# Altium PCB FMC_SDR.PcbDoc (part 1 of 4) (continued)
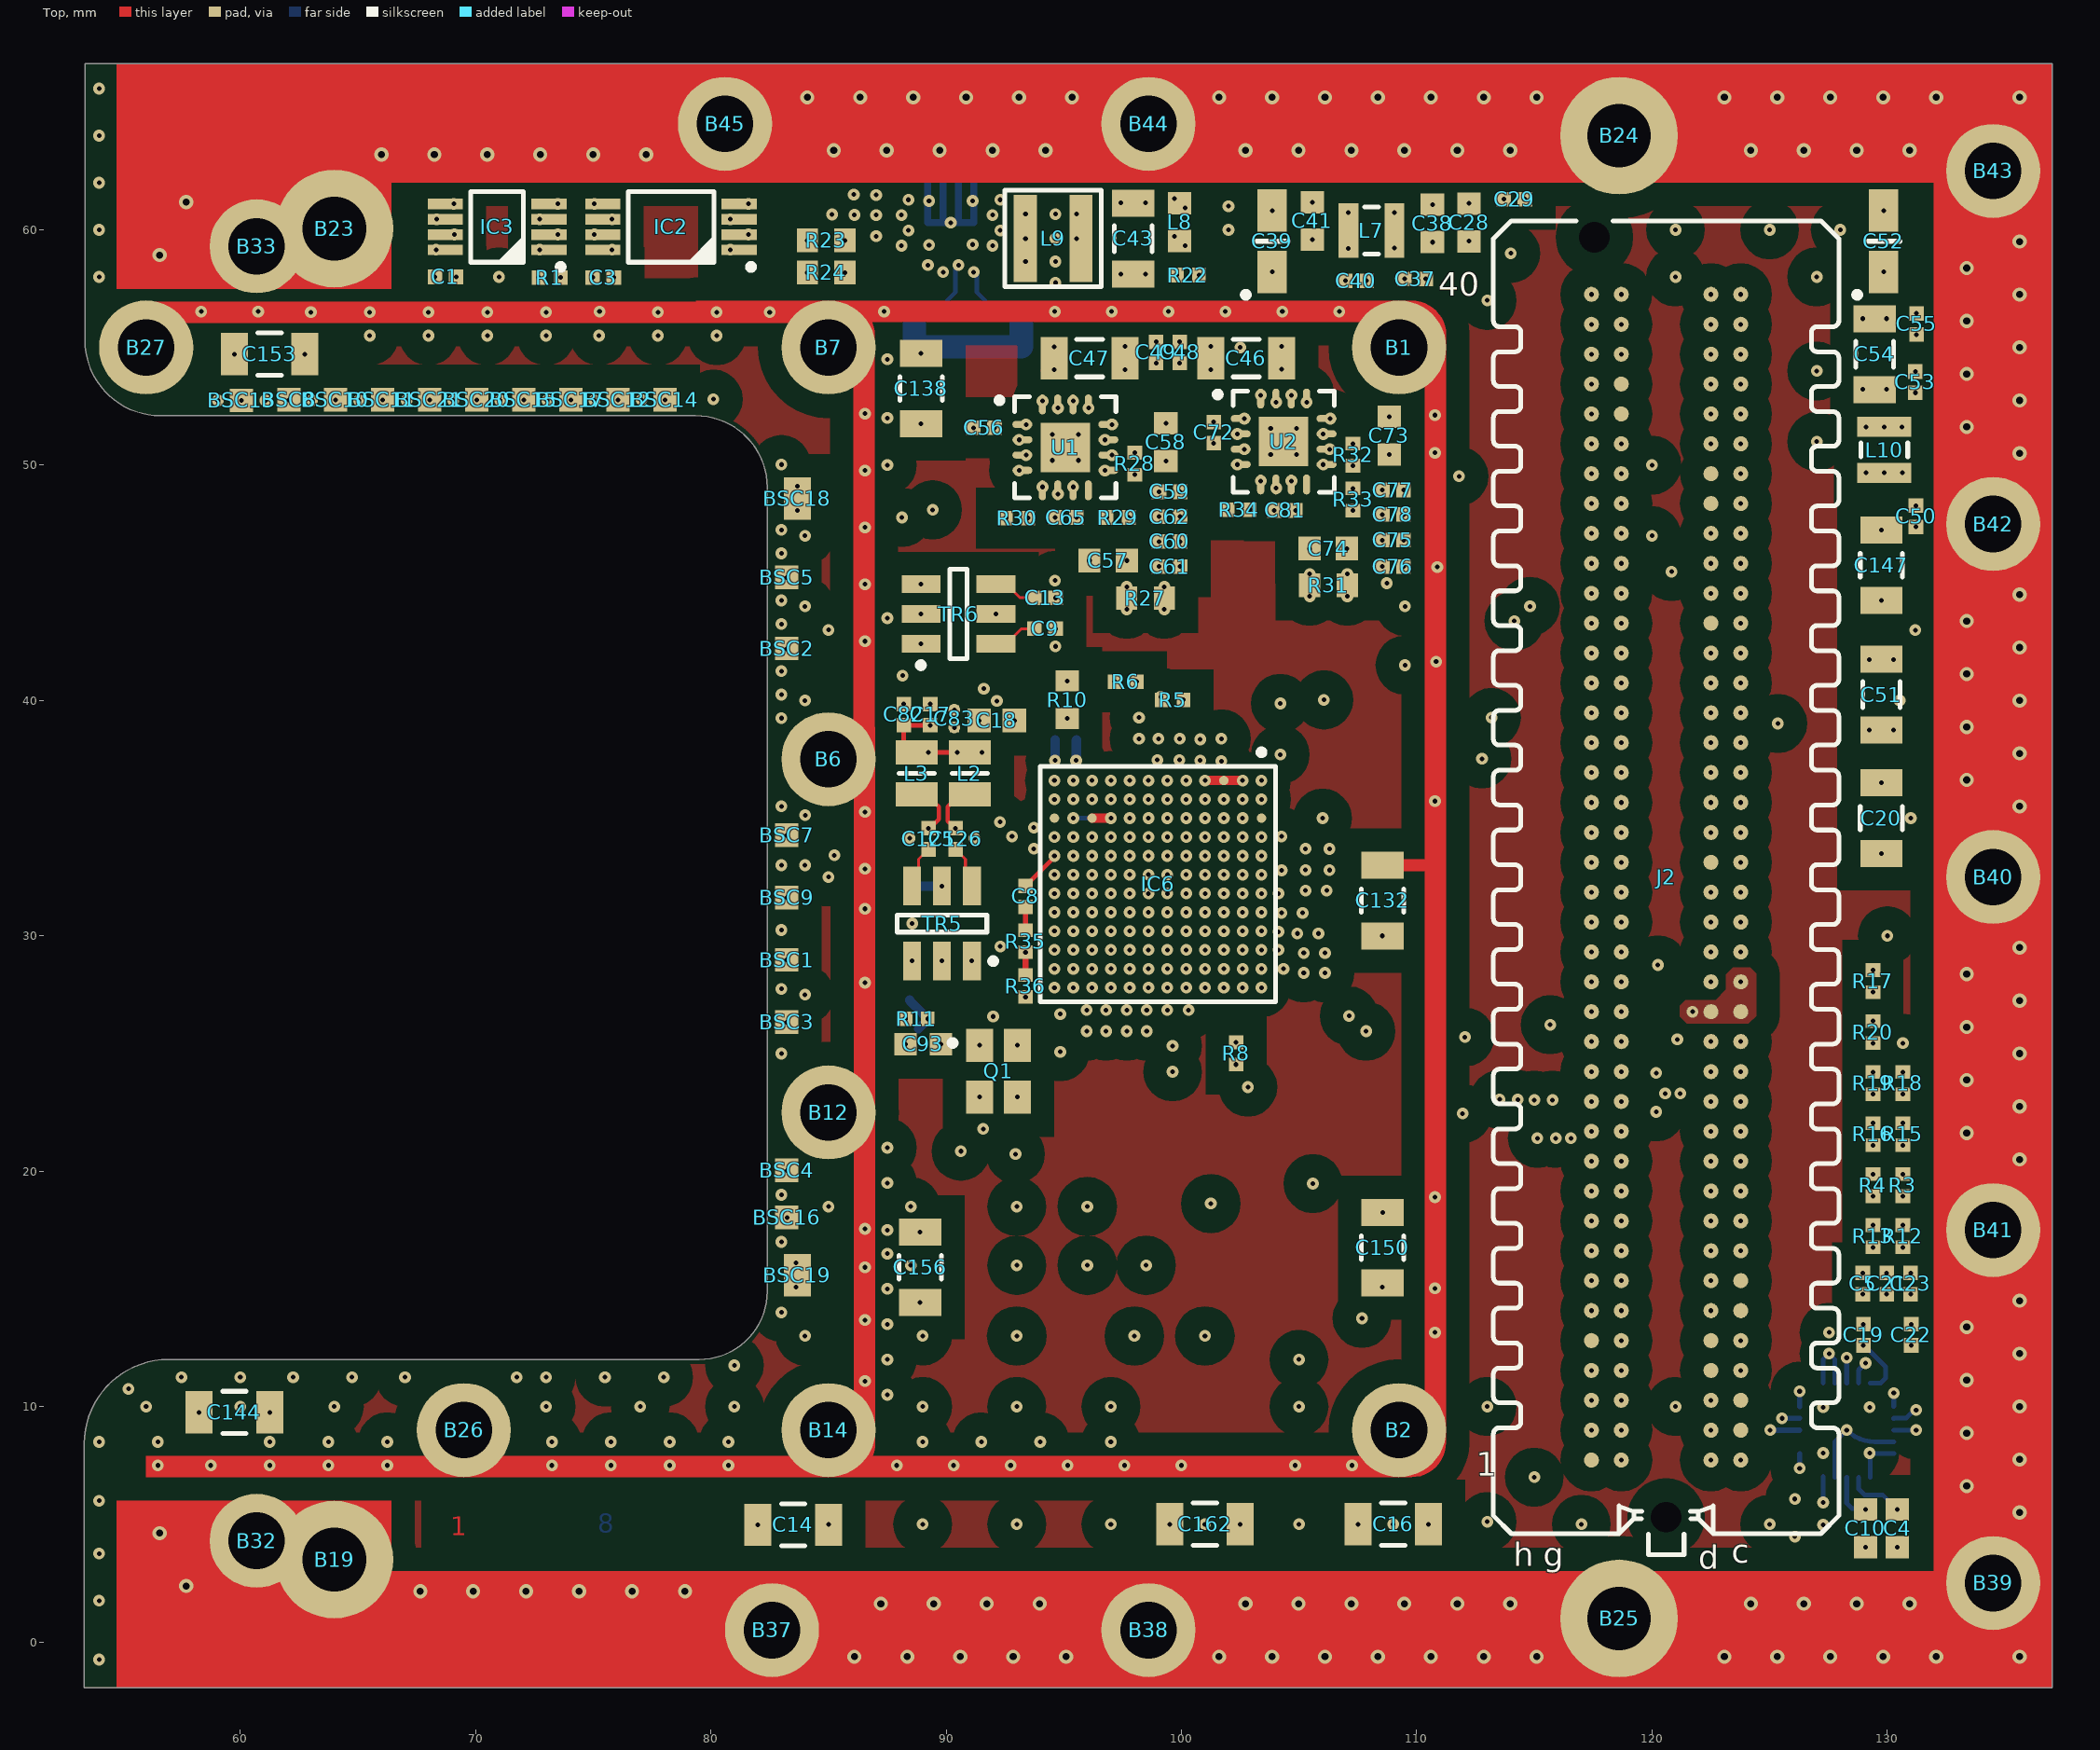
[diagram p0: Top view]
## Components (designator, comment, footprint, x,y, rotation, side; value= is the part's Value field where it differs from the comment) (continued)
C137 "100pF" CAPC1005X55N 110.258,32.462 r0 bottom
C138 "1uF" CAPC3216X140N 88.936,53.25 r90 top
C139 "1nF" CAPC1005X55N 87.2,12.25 r180 bottom
C140 "100pF" CAPC1005X55N 87.2,15.5 r180 bottom
C142 "1nF" CAPC1005X55N 87.187,18.75 r180 bottom
C143 "100pF" CAPC1005X55N 110.258,44.26 r0 bottom
C144 "1uF" CAPC3216X140N 59.75,9.75 r180 top
C145 "1nF" CAPC1005X55N 61.75,55.975 r90 bottom
C146 "100pF" CAPC1005X55N 65.5,55.975 r90 bottom
C147 "1uF" CAPC3216X140N 129.75,45.75 r90 top
C148 "1nF" CAPC1005X55N 69.25,55.975 r90 bottom
C149 "100pF" CAPC1005X55N 73,55.975 r90 bottom
C150 "1uF" CAPC3216X140N 108.55,16.752 r90 top
C151 "1nF" CAPC1005X55N 76.75,55.975 r90 bottom
C152 "100pF" CAPC1005X55N 80.5,55.975 r90 bottom
C153 "1uF" CAPC3216X140N 61.25,54.716 r180 top
C154 "1nF" CAPC1005X55N 89,8.05 r270 bottom
C155 "100pF" CAPC1005X55N 87.187,45.016 r180 bottom
C156 "1uF" CAPC3216X140N 88.892,15.919 r90 top
C158 "100pF" CAPC1005X55N 87.187,48.782 r180 bottom
C160 "1nF" CAPC1005X55N 87.187,52.547 r180 bottom
C162 "1uF" CAPC3216X140N 101,5 r180 top
C198 "1nF" CAPC1005X55N 97.5,8.05 r270 bottom
C199 "100pF" CAPC1005X55N 101.75,8.05 r270 bottom
C204 "1nF" CAPC1005X55N 106,8.05 r270 bottom
C205 "100pF" CAPC1005X55N 110.325,28.53 r0 bottom
C206 "1nF" CAPC1005X55N 110.325,24.597 r0 bottom
C207 "100pF" CAPC1005X55N 110.325,20.665 r0 bottom
C208 "1nF" CAPC1005X55N 110.325,16.732 r0 bottom
C209 "100pF" CAPC1005X55N 110.325,12.8 r0 bottom
C210 "1nF" CAPC1005X55N 110.258,40.327 r0 bottom
C211 "100pF" CAPC1005X55N 94.616,56.075 r90 bottom
C212 "1nF" CAPC1005X55N 98.327,56.075 r90 bottom
C213 "100pF" CAPC1005X55N 102.039,56.075 r90 bottom
C214 "1nF" CAPC1005X55N 105.75,56.075 r90 bottom
C215 "1nF" CAPC1005X55N 87.2,27.6 r180 bottom
C216 "1nF" CAPC1005X55N 87.187,33.75 r180 bottom
C217 "1nF" CAPC1005X55N 87.2,30.25 r180 bottom
IC1 "AD7291BCPZ" QFN50P400X400X80-21N-S275 128.275,9 r180 bottom
IC2 "M24C02-RDW6TP" SOP65P640X120-8N 78.308,60.122 r180 top
IC3 "MCP9801-M/MS" SOP65P490X110-8N 70.917,60.122 r180 top
IC4 "ADP2164ACPZ-R7" CP_16_26 90.195,60.3 r0 bottom value=Value
IC6 "AD9364BBCZ" BGA144C80P12X12_1000X1000X170 99.003,32.2 r270 top locked
J2 "VITA 57" SAMTEC_ASP-127797-01 120.6,32.491 r270 top locked
L1 "1k@100MHz" INDC1005X55N 104.259,33.243 r270 bottom
L2 "330nH" IND_COILCRAFT_0805CS 91,36.9 r90 top
L3 "330nH" IND_COILCRAFT_0805CS 88.75,36.9 r90 top
L6 "600R@100MHz" INDC1608X75N 99.625,25.025 r90 bottom
L7 "2.2 A, 0.47 uH" WE-MAIA_2506 108.077,59.969 r180 top
L8 "390R@100MHz" INDC1608X95N 99.925,60.325 r270 top
L9 "4.7 A, 2.2 uH" WE-MAIA_4020 94.549,59.625 r0 top
L10 "2.2 A, 0.47 uH" WE-MAIA_2506 129.87,50.648 r90 top
Q1 "40MHz" XTAL_EPSON_TSX-3225 92.225,24.25 r0 top
R1 "10k" RESC1005X40N 73.155,57.975 r0 top
R2 "49R9" RESC1005X40N 101.7,37.9 r90 bottom
R3 "100k" RESC1005X40N 130.661,19.406 r90 top
R4 "100k" RESC1005X40N 129.391,19.406 r90 top
R5 "10k" RESC1005X40N 99.625,40.025 r0 top
R6 "10k" RESC1005X40N 97.63,40.8 r0 top
R7 "1" RESC1005X40N 103.87,28.6 r180 bottom
R8 "10k" RESC1005X40N 102.325,25.005 r90 top
R9 "1" RESC1005X40N 99.445,37.475 r180 bottom
R10 "14k3" RESC1608X55N 95.15,40.032 r270 top
R11 "49R9" RESC1005X40N 88.75,26.475 r180 top
R12 "160k" RESC1005X40N 130.661,17.239 r90 top
R13 "160k" RESC1005X40N 129.391,17.239 r90 top
R15 "100k" RESC1005X40N 130.661,21.574 r90 top
R16 "100k" RESC1005X40N 129.391,21.574 r270 top
R17 "100k" RESC1005X40N 129.391,28.077 r90 top
R18 "160k" RESC1005X40N 130.661,23.742 r270 top
R19 "160k" RESC1005X40N 129.391,23.742 r270 top
R20 "160k" RESC1005X40N 129.391,25.909 r90 top
R21 "10" RESC1608X55N 90.85,57 r180 bottom
R22 "10k" RESC1005X40N 100.275,58.075 r0 top
R23 "Undefined" RESC1608X55N 84.9,59.55 r180 top
R24 "10" RESC1608X55N 84.9,58.182 r180 top
R25 "20k" RESC1005X40N 85.62,60.625 r0 bottom
R26 "10k" RESC1005X40N 86.545,61.5 r0 bottom
R27 "0" RESC1608X55N 98.475,44.35 r0 top
R28 "16k" RESC1005X40N 98.019,50.063 r90 top
R29 "10k" RESC1005X40N 97.295,47.777 r180 top
R30 "10k" RESC1005X40N 93.015,47.752 r180 top
R31 "0" RESC1608X55N 106.25,44.9 r180 top
R32 "16k" RESC1005X40N 107.29,50.444 r90 top
R33 "10k" RESC1005X40N 107.29,48.539 r270 top
R34 "10k" RESC1005X40N 102.438,48.108 r180 top
R35 "10" RESC1005X40N 93.375,29.772 r90 top
R36 "49R9" RESC1005X40N 93.375,27.87 r90 top
TR5 "1:1" XFMR_MINI-CIRCUITS_DB1627 89.825,30.525 r180 top
TR6 "1:1" XFMR_MINI-CIRCUITS_DB1627 90.526,43.675 r90 top
U1 "ADP1755ACPZ-R7" CP-16-4_L 95.068,50.754 r0 top
U2 "ADP1755ACPZ-R7" CP-16-4_L 104.343,51.003 r0 top

## Footprints (in the part's own frame and the unit in brackets; to place one, negate y for a bottom-side part, rotate by r counter-clockwise, add the part's x,y. Pads: shape width x height; smd on the part's side, far side on the other; paste and mask are expansions set on the pad)
BGA144C80P12X12_1000X1000X170 [mm] "BGA, 0.80mm Pitch, Square; 144 Pin,12 Columns X 12 Rows,10.00mm X 10.00mm X 1.70mm H"
  round 0.4 smd: A1(-4.4,4.4) A2(-3.6,4.4) A3(-2.8,4.4) A4(-2,4.4) A5(-1.2,4.4) A6(-0.4,4.4) A7(0.4,4.4) A8(1.2,4.4) A9(2,4.4) A10(2.8,4.4) A11(3.6,4.4) A12(4.4,4.4) B1(-4.4,3.6) B2(-3.6,3.6) B3(-2.8,3.6) B4(-2,3.6) B5(-1.2,3.6) B6(-0.4,3.6) B7(0.4,3.6) B8(1.2,3.6) B9(2,3.6) B10(2.8,3.6) B11(3.6,3.6) B12(4.4,3.6) C1(-4.4,2.8) C2(-3.6,2.8) C3(-2.8,2.8) C4(-2,2.8) C5(-1.2,2.8) C6(-0.4,2.8) C7(0.4,2.8) C8(1.2,2.8) C9(2,2.8) C10(2.8,2.8) C11(3.6,2.8) C12(4.4,2.8) D1(-4.4,2) D2(-3.6,2) D3(-2.8,2) D4(-2,2) D5(-1.2,2) D6(-0.4,2) D7(0.4,2) D8(1.2,2) D9(2,2) D10(2.8,2) D11(3.6,2) D12(4.4,2) E1(-4.4,1.2) E2(-3.6,1.2) E3(-2.8,1.2) E4(-2,1.2) E5(-1.2,1.2) E6(-0.4,1.2) E7(0.4,1.2) E8(1.2,1.2) E9(2,1.2) E10(2.8,1.2) E11(3.6,1.2) E12(4.4,1.2) F1(-4.4,0.4) F2(-3.6,0.4) F3(-2.8,0.4) F4(-2,0.4) F5(-1.2,0.4) F6(-0.4,0.4) F7(0.4,0.4) F8(1.2,0.4) F9(2,0.4) F10(2.8,0.4) F11(3.6,0.4) F12(4.4,0.4) G1(-4.4,-0.4) G2(-3.6,-0.4) G3(-2.8,-0.4) G4(-2,-0.4) G5(-1.2,-0.4) G6(-0.4,-0.4) G7(0.4,-0.4) G8(1.2,-0.4) G9(2,-0.4) G10(2.8,-0.4) G11(3.6,-0.4) G12(4.4,-0.4) H1(-4.4,-1.2) H2(-3.6,-1.2) H3(-2.8,-1.2) H4(-2,-1.2) H5(-1.2,-1.2) H6(-0.4,-1.2) H7(0.4,-1.2) H8(1.2,-1.2) H9(2,-1.2) H10(2.8,-1.2) H11(3.6,-1.2) H12(4.4,-1.2) J1(-4.4,-2) J2(-3.6,-2) J3(-2.8,-2) J4(-2,-2) J5(-1.2,-2) J6(-0.4,-2) J7(0.4,-2) J8(1.2,-2) J9(2,-2) J10(2.8,-2) J11(3.6,-2) J12(4.4,-2) K1(-4.4,-2.8) K2(-3.6,-2.8) K3(-2.8,-2.8) K4(-2,-2.8) K5(-1.2,-2.8) K6(-0.4,-2.8) K7(0.4,-2.8) K8(1.2,-2.8) K9(2,-2.8) K10(2.8,-2.8) K11(3.6,-2.8) K12(4.4,-2.8) L1(-4.4,-3.6) L2(-3.6,-3.6) L3(-2.8,-3.6) L4(-2,-3.6) L5(-1.2,-3.6) L6(-0.4,-3.6) L7(0.4,-3.6) L8(1.2,-3.6) L9(2,-3.6) L10(2.8,-3.6) L11(3.6,-3.6) L12(4.4,-3.6) M1(-4.4,-4.4) M2(-3.6,-4.4) M3(-2.8,-4.4) M4(-2,-4.4) M5(-1.2,-4.4) M6(-0.4,-4.4) M7(0.4,-4.4) M8(1.2,-4.4) M9(2,-4.4) M10(2.8,-4.4) M11(3.6,-4.4) M12(4.4,-4.4)
  silkscreen extent -5.72,-5 5,5, body extent -5,-5 5,5, height 1.8
CAPC0603X33N [mm] "Chip Capacitor, Body 0.6x0.30mm, IPC Medium Density"
  rect 0.45x0.4 smd: 1(-0.35,0) 2(0.35,0)
  body extent -0.31,-0.16 0.32,0.17, height 0.33
CAPC1005X55N [mm] "Capacitor, Non-Polarized, Chip; 1.00mm L X 0.50mm W X 0.70mm H, IPC Medium Density"
  rect 0.62x0.62 smd: 1(-0.45,0) 2(0.45,0)
  body extent -0.52,-0.27 0.53,0.28, height 0.55
CAPC1608X80N [mm] "Chip Capacitor, Body 1.6x0.8mm IPC Medium Density"
  rect 1x1 smd: 1(-0.75,0) 2(0.75,0)
  body extent -0.87,-0.47 0.88,0.48, height 0.8
CAPC1608X87N [mm] "Chip Capacitor, Body 1.6x0.8mm IPC Medium Density"
  rect 0.95x1 smd: 1(-0.8,0) 2(0.8,0)
  body extent -0.87,-0.47 0.88,0.48, height 0.87
CAPC1608X90N [mm] "Chip Capacitor, Body 1.6x0.8mm IPC Medium Density"
  rect 0.95x0.95 smd: 1(-0.75,0) 2(0.75,0)
  body extent -0.85,-0.45 0.85,0.45, height 0.9
CAPC3216X140N [mm] "Chip Capacitor, Body 3.2x1.6mm, IPC Medium Density"
  rect 1.15x1.8 smd: 1(-1.5,0) 2(1.5,0)
  silkscreen extent -0.5,-0.9 0.5,0.9, body extent -1.7,-0.9 1.7,0.9, height 1.4
CAPC3216X180N [mm] "Chip Capacitor, Body 3.2x1.6mm, IPC Medium Density"
  rect 1.15x1.8 smd: 1(-1.5,0) 2(1.5,0)
  silkscreen extent -0.55,-0.8 0.55,0.8, body extent -1.7,-0.9 1.7,0.9, height 1.8
CAPMP3216X180N [mm] "Capacitor, Polarized, Molded  Body 3.2x1.6mm, IPC Medium Density"
  rect 1.8x1.25 smd: 1(-1.3,0) 2(1.3,0)
  silkscreen extent -2.4,-0.7 0,1.25, body extent -1.7,-0.9 1.7,0.9, height 1.6
CP-16-4_L [mm] "QFN, 16-Leads, Body 4x4mm, Pitch 0.65mm, Thermal Pad 2.1x2.1mm, IPC High Density"
  oval 0.85x0.3 smd: 1(-1.825,0.975) 2(-1.825,0.325) 3(-1.825,-0.325) 4(-1.825,-0.975) 9(1.825,-0.975) 10(1.825,-0.325) 11(1.825,0.325) 12(1.825,0.975)
  oval 0.3x0.85 smd: 5(-0.975,-1.825) 6(-0.325,-1.825) 7(0.325,-1.825) 8(0.975,-1.825) 13(0.975,1.825) 14(0.325,1.825) 15(-0.325,1.825) 16(-0.975,1.825)
  rect 2.1x2.1 smd: 17(0,0)
  silkscreen extent -2.92,-2.15 2.15,2.15, body extent -2,-2 2,2, height 1
CP_16_26 [mil]
  rect 32x14 smd paste+0 mask+0: 1(-76.5,38.39) 2(-76.5,12.8) 3(-76.5,-12.8) 4(-76.5,-38.39) 9(76.5,-38.39) 10(76.5,-12.8) 11(76.5,12.8) 12(76.5,38.39)
  rect 14x32 smd paste+0 mask+0: 5(-38.39,-76.5) 6(-12.8,-76.5) 7(12.8,-76.5) 8(38.39,-76.5) 13(38.39,76.5) 14(12.8,76.5) 15(-12.8,76.5) 16(-38.39,76.5)
  rect 104x104 smd paste-51.5 mask+0: 17(0,0)
  silkscreen extent -122,-86 86,93, body extent -81,-81 81,81, height 31
IND_COILCRAFT_0805CS [mm] "SMD Inductor  Body Width 1.73mm Body Lenght 2.29mm Height 1.52mm, 0805CS Series"
  rect 1.02x1.78 smd: 1(-0.89,0) 2(0.89,0)
  silkscreen extent 0,-0.75 0,0.75, body extent -1.14,-0.86 1.14,0.86, height 1.52
INDC1005X55N [mm] "Chip Inductor, 2-Leads, EIA 0402, Metric 1005, Body 1x0.5mm, 0402IPC Medium Density"
  rect 0.6x0.62 smd: 1(-0.46,0) 2(0.46,0)
  body extent -0.52,-0.27 0.53,0.28, height 0.55
INDC1608X75N [mm] "Chip Inductor, 2-Leads, EIA 0603, Metric 1608, Body 1.6x0.8mm, IPC Medium Density"
  rect 0.9x1 smd: 1(-0.8,0) 2(0.8,0)
  body extent -0.87,-0.47 0.88,0.48, height 0.7
INDC1608X95N [mm] "Chip Inductor, 2-Leads, EIA 0603, Metric 1608, Body 1.6x0.8mm, IPC Medium Density"
  rect 0.95x1 smd: 1(-0.8,0) 2(0.8,0)
  body extent -0.87,-0.47 0.88,0.48, height 0.95
MTG240_400#1 [mm] "Plated Through Hole: Hole Dia.=2.4mm Pad Dia.=4.0mm"
  round 4 hole 2.4: 1(0.05,0)
MTG240_400#2 [mm] "Plated Through Hole: Hole Dia.=2.4mm Pad Dia.=4.0mm"
  round 4 hole 2.4: 1(0,0)
MTG240_400#3 [mm] "Plated Through Hole: Hole Dia.=2.4mm Pad Dia.=4.0mm"
  round 4 hole 2.4: 1(-7,0)
MTG240_400#4 [mm] "Plated Through Hole: Hole Dia.=2.4mm Pad Dia.=4.0mm"
  round 4 hole 2.4: 1(-0.1,0)
MTG270_500 [mm] "Plated Through Hole: Hole Dia.=2.7mm Pad Dia.=5.0mm"
  round 5 hole 2.7: 1(0,0)
PCB_CONN_0603F#1 [mm] "Colder connection between boards - by 0603 0R jumper"
  rect 1x1 smd: 1(0,0.001)
PCB_CONN_0603F#2 [mm] "Colder connection between boards - by 0603 0R jumper"
  rect 1x1 smd: 1(0,0)
PCB_CONN_1206F#1 [mm] "Colder connection between boards - by 1206 0R jumper"
  rect 1.15x1.8 smd: 1(-0.35,0)
PCB_CONN_1206F#2 [mm] "Colder connection between boards - by 1206 0R jumper"
  rect 1.15x1.8 smd: 1(-0.4,0)
QFN50P400X400X80-21N-S275 [mm] "QFN, 0.50mm Pitch, Square; 20 Pin, 4.00mm L X 4.00mm W X 0.80mm H Body (w/Thermal Tab 2.75 X 2.75mm),  IPC Medium Density"
  oval 0.8x0.3 smd: 1(-2,1) 2(-2,0.5) 3(-2,0) 4(-2,-0.5) 5(-2,-1) 11(2,-1) 12(2,-0.5) 13(2,0) 14(2,0.5) 15(2,1)
  oval 0.3x0.8 smd: 6(-1,-2) 7(-0.5,-2) 8(0,-2) 9(0.5,-2) 10(1,-2) 16(1,2) 17(0.5,2) 18(0,2) 19(-0.5,2) 20(-1,2)
  rect 2.75x2.75 smd: 21(0,0)
  silkscreen extent -3.13,-2 2,2, body extent -2,-2 2,2, height 0.8
RESC1005X40N [mm] "Chip Resistor, EIA 0402, Metric 1005, Body 1.0x0.5mm, IPC Medium Density"
  rect 0.58x0.62 smd: 1(-0.47,0) 2(0.47,0)
  body extent -0.52,-0.27 0.53,0.28, height 0.4
RESC1608X55N [mm] "Chip Resistor, EIA 0603, Metric 1608, Body 1.6x0.8mm, IPC Medium Density"
  rect 0.9x1 smd: 1(-0.8,0) 2(0.8,0)
  body extent -0.87,-0.47 0.88,0.48, height 0.55
SAMTEC_ASP-127797-01 [mm] "Connector VITA 57, 160 Male contacts in 4 row cdgh"
  round 1 hole 1.3 unplated mask+0.3: 1(-27.191,-3.048) 2(27.191,0)
  round 0.64 smd: c1(24.765,3.175) c2(23.495,3.175) c3(22.225,3.175) c4(20.955,3.175) c5(19.685,3.175) c6(18.415,3.175) c7(17.145,3.175) c8(15.875,3.175) c9(14.605,3.175) c10(13.335,3.175) c11(12.065,3.175) c12(10.795,3.175) c13(9.525,3.175) c14(8.255,3.175) c15(6.985,3.175) c16(5.715,3.175) c17(4.445,3.175) c18(3.175,3.175) c19(1.905,3.175) c20(0.635,3.175) c21(-0.635,3.175) c22(-1.905,3.175) c23(-3.175,3.175) c24(-4.445,3.175) c25(-5.715,3.175) c26(-6.985,3.175) c27(-8.255,3.175) c28(-9.525,3.175) c29(-10.795,3.175) c30(-12.065,3.175) c31(-13.335,3.175) c32(-14.605,3.175) c33(-15.875,3.175) c34(-17.145,3.175) c35(-18.415,3.175) c36(-19.685,3.175) c37(-20.955,3.175) c38(-22.225,3.175) c39(-23.495,3.175) c40(-24.765,3.175) d1(24.765,1.905) d2(23.495,1.905) d3(22.225,1.905) d4(20.955,1.905) d5(19.685,1.905) d6(18.415,1.905) d7(17.145,1.905) d8(15.875,1.905) d9(14.605,1.905) d10(13.335,1.905) d11(12.065,1.905) d12(10.795,1.905) d13(9.525,1.905) d14(8.255,1.905) d15(6.985,1.905) d16(5.715,1.905) d17(4.445,1.905) d18(3.175,1.905) d19(1.905,1.905) d20(0.635,1.905) d21(-0.635,1.905) d22(-1.905,1.905) d23(-3.175,1.905) d24(-4.445,1.905) d25(-5.715,1.905) d26(-6.985,1.905) d27(-8.255,1.905) d28(-9.525,1.905) d29(-10.795,1.905) d30(-12.065,1.905) d31(-13.335,1.905) d32(-14.605,1.905) d33(-15.875,1.905) d34(-17.145,1.905) d35(-18.415,1.905) d36(-19.685,1.905) d37(-20.955,1.905) d38(-22.225,1.905) d39(-23.495,1.905) d40(-24.765,1.905) g1(24.765,-1.905) g2(23.495,-1.905) g3(22.225,-1.905) g4(20.955,-1.905) g5(19.685,-1.905) g6(18.415,-1.905) g7(17.145,-1.905) g8(15.875,-1.905) g9(14.605,-1.905) g10(13.335,-1.905) g11(12.065,-1.905) g12(10.795,-1.905) g13(9.525,-1.905) g14(8.255,-1.905) g15(6.985,-1.905) g16(5.715,-1.905) g17(4.445,-1.905) g18(3.175,-1.905) g19(1.905,-1.905) g20(0.635,-1.905) g21(-0.635,-1.905) g22(-1.905,-1.905) g23(-3.175,-1.905) g24(-4.445,-1.905) g25(-5.715,-1.905) g26(-6.985,-1.905) g27(-8.255,-1.905) g28(-9.525,-1.905) g29(-10.795,-1.905) g30(-12.065,-1.905) g31(-13.335,-1.905) g32(-14.605,-1.905) g33(-15.875,-1.905) g34(-17.145,-1.905) g35(-18.415,-1.905) g36(-19.685,-1.905) g37(-20.955,-1.905) g38(-22.225,-1.905) g39(-23.495,-1.905) g40(-24.765,-1.905) h1(24.765,-3.175) h2(23.495,-3.175) h3(22.225,-3.175) h4(20.955,-3.175) h5(19.685,-3.175) h6(18.415,-3.175) h7(17.145,-3.175) h8(15.875,-3.175) h9(14.605,-3.175) h10(13.335,-3.175) h11(12.065,-3.175) h12(10.795,-3.175) h13(9.525,-3.175) h14(8.255,-3.175) h15(6.985,-3.175) h16(5.715,-3.175) h17(4.445,-3.175) h18(3.175,-3.175) h19(1.905,-3.175) h20(0.635,-3.175) h21(-0.635,-3.175) h22(-1.905,-3.175) h23(-3.175,-3.175) h24(-4.445,-3.175) h25(-5.715,-3.175) h26(-6.985,-3.175) h27(-8.255,-3.175) h28(-9.525,-3.175) h29(-10.795,-3.175) h30(-12.065,-3.175) h31(-13.335,-3.175) h32(-14.605,-3.175) h33(-15.875,-3.175) h34(-17.145,-3.175) h35(-18.415,-3.175) h36(-19.685,-3.175) h37(-20.955,-3.175) h38(-22.225,-3.175) h39(-23.495,-3.175) h40(-24.765,-3.175)
  silkscreen extent -27.89,-7.34 28.78,7.34, body extent -27.89,-7.34 28.78,7.34, height 5.61
SOP65P490X110-8N [mm] "SOP, 0.65mm pitch; 8 pin, 3.00mm W X 3.00mm L X 1.10mm H body, IPC Medium Density"
  rect 1.5x0.45 smd: 1(-2.2,0.975) 2(-2.2,0.325) 3(-2.2,-0.325) 4(-2.2,-0.975) 5(2.2,-0.975) 6(2.2,-0.325) 7(2.2,0.325) 8(2.2,0.975)
  silkscreen extent -2.83,-1.5 1.12,1.82, body extent -2.45,-1.55 2.45,1.55, height 1.1
SOP65P640X120-8N [mm] "SOP, 0.65mm pitch; 8 pin, 4.40mm W X 3.00mm L X 1.20mm H body, IPC Medium Density"
  rect 1.5x0.45 smd: 1(-2.9,0.975) 2(-2.9,0.325) 3(-2.9,-0.325) 4(-2.9,-0.975) 5(2.9,-0.975) 6(2.9,-0.325) 7(2.9,0.325) 8(2.9,0.975)
  silkscreen extent -3.53,-1.5 1.83,1.82, body extent -3.2,-1.55 3.2,1.55, height 1.2
WE-MAIA_2506 [mm] "SMD Power Inductor, 2-leads, body 2.5x2.0mm"
  rect 0.85x2.3 smd: 1(-0.975,0) 2(0.975,0)
  silkscreen extent -0.3,-1 0.3,1, body extent -1.25,-1 1.25,1, height 0.63
WE-MAIA_4020 [mm] "SMD Power Inductor, 2-leads, body 4.1x4.1mm"
  rect 0.98x3.7 smd: 1(-1.185,0) 2(1.185,0)
  silkscreen extent -2.05,-2.05 2.05,2.05, body extent -2.05,-2.05 2.05,2.05, height 2.13
XFMR_MINI-CIRCUITS_DB1627 [mm] "MINI-CIRCUITS RF Transformer, Case DB1627 - Body 4.06X3.81mm"
  rect 0.76x1.65 smd: 1(-1.27,1.59) 2(0,1.59) 3(1.27,1.59) 4(1.27,-1.59) 5(0,-1.59) 6(-1.27,-1.59)
  silkscreen extent -2.3,-0.37 1.91,1.72, body extent -1.9,-2.03 1.91,2.03, height 4.06
XTAL_EPSON_TSX-3225 [mm] "Crystal TSX-3225 Serie, Corner Concave; 4 pin, 2.50mm L X 3.2mm W X 0.6mm H"
  rect 1.15x1.4 smd: 1(-0.8,1.1) 2(-0.8,-1.1) 3(0.8,-1.1) 4(0.8,1.1)
  silkscreen extent -2.07,1.08 -1.83,1.32, body extent -1.25,-1.6 1.25,1.6, height 0.6
